# Altium PCB UCL-CPUM-H7-1.PcbDoc (part 3 of 3)
Units mm, origin at the board's own origin, x right, y up, seen from the top; angles counter-clockwise.
Board outline 42 x 53 mm, 6 copper layers (Top Layer, L2_GND, L3_VCC, L4_Sig, L5_GND, Bottom Layer), stack 1.657 mm thick; 102 components, 182 nets, 509 pads, 278 vias.
Unrouted connection lines stored in the file: 34.
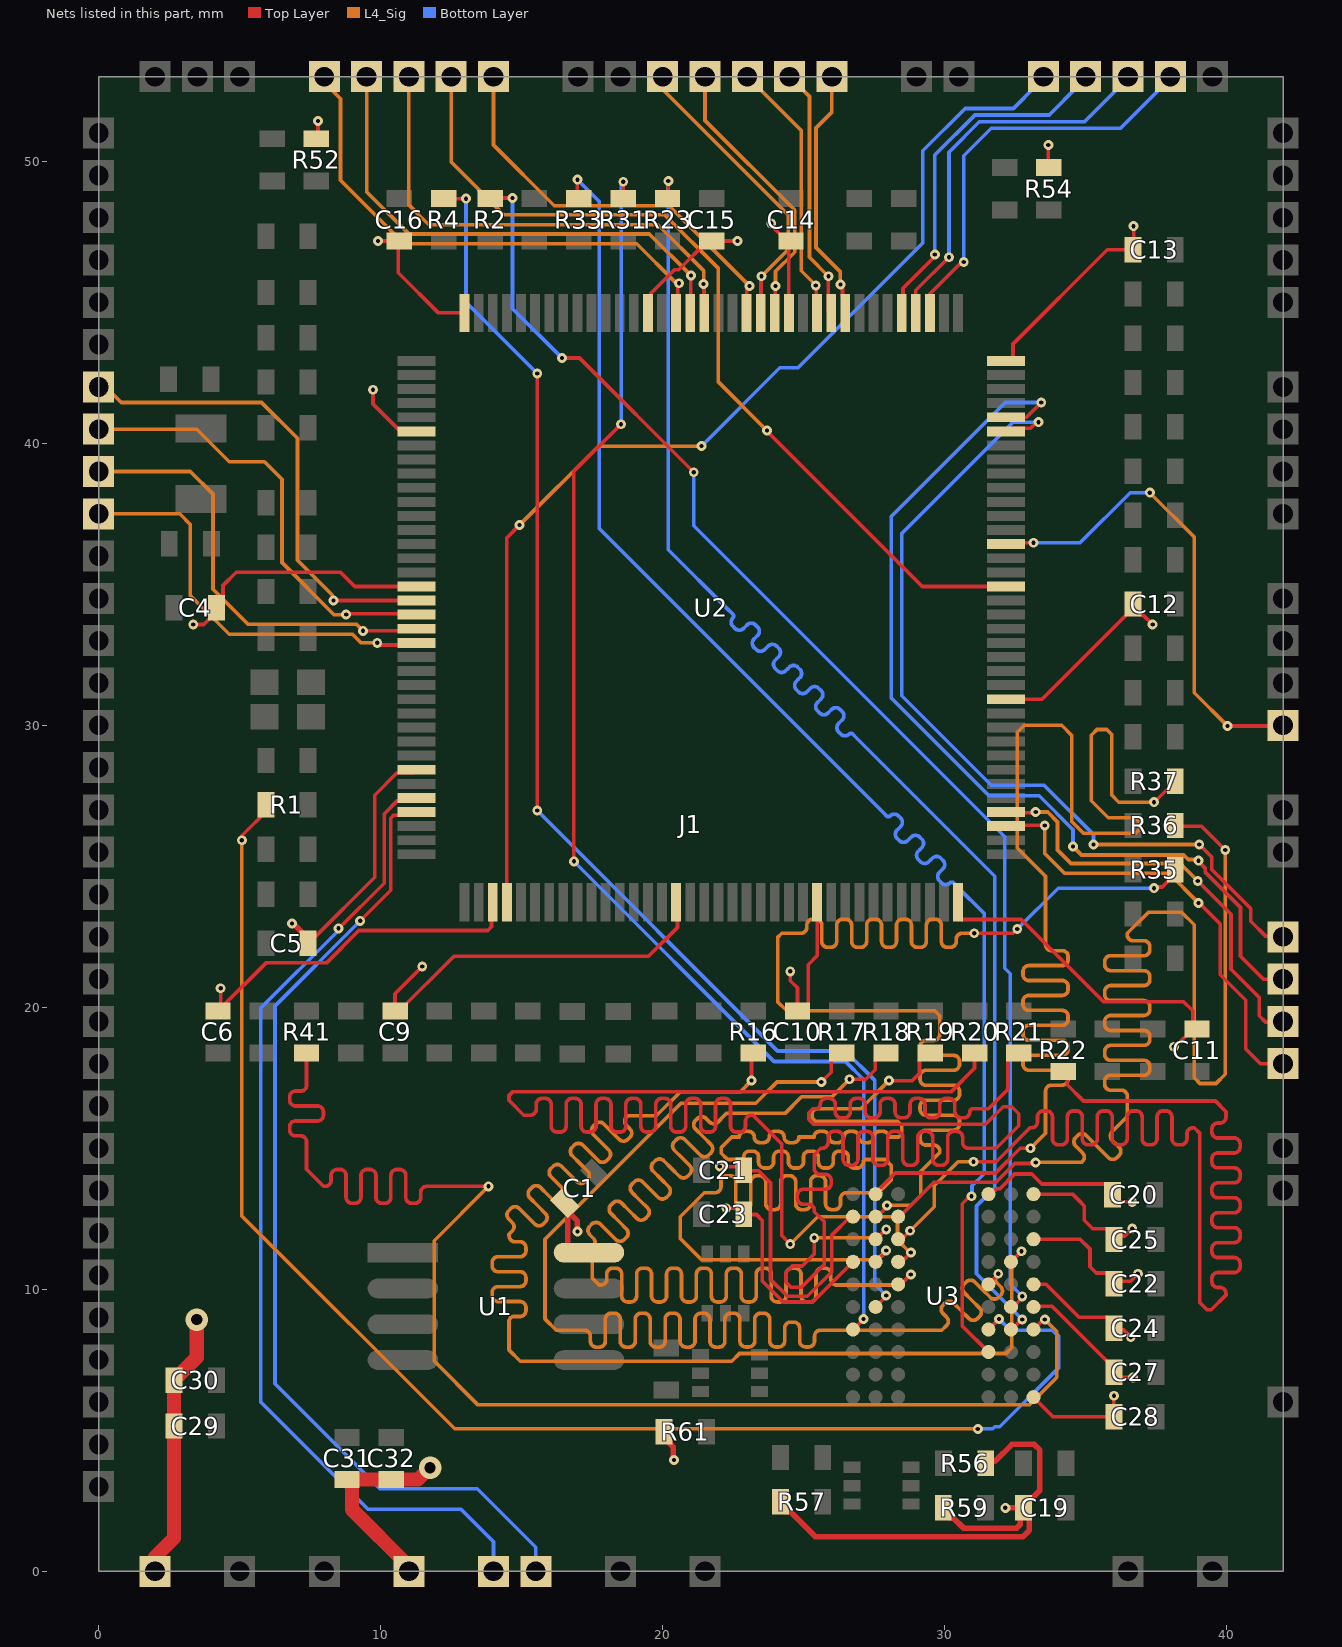
[diagram p7: the nets of this part, all layers, seen from the top]

## Via types
v1: diameter 0.35, hole 0.15, Top Layer to Bottom Layer, 276 vias
v2: diameter 0.8, hole 0.4, Top Layer to Bottom Layer, 2 vias

## Nets (pads, with @x,y where several pads share a name; then routed paths per layer and width w, separated by ;. In a path a pad name is that pad's centre, name@x,y a point inside that pad or via, vN(x,y) a via of type N, cw(c..) or ccw(c..) an arc to the next point about the centre after c; other vN are vias at no path point) (continued)
SDRAM_D6: R16.1 U3.D8 | length 53.2
  Top Layer w0.13: v1(23.15,17.4) 23.15,18.317 R16.1@23.208,18.375 ; U3.D8@32.35,10.975 v1(32.725,11.35)
  L4_Sig w0.13: v1(23.15,17.4) 22.75,17 20.625,17 19.775,16.15 18.75,16.15 18.713,16.113 ccw(c18.862,15.963) 18.713,15.813 18.837,15.688 cw(c18.687,15.538) 18.837,15.388 18.762,15.313 cw(c18.612,15.463) 18.462,15.313 18.188,15.588 17.913,15.862 ccw(c17.764,15.712) 17.614,15.862 17.539,15.787 ccw(c17.689,15.637) 17.539,15.487 17.813,15.213 18.087,14.939 cw(c17.938,14.789) 18.087,14.639 18.012,14.564 cw(c17.863,14.714) 17.713,14.564 17.438,14.838 17.164,15.113 ccw(c17.014,14.963) 16.864,15.113 16.789,15.038 ccw(c16.939,14.888) 16.789,14.738 17.064,14.464 17.338,14.189 cw(c17.188,14.039) 17.338,13.889 17.263,13.814 cw(c17.113,13.964) 16.963,13.814 16.689,14.089 16.414,14.363 ccw(c16.265,14.213) 16.115,14.363 16.04,14.288 ccw(c16.19,14.138) 16.04,13.988 16.314,13.714 16.588,13.44 cw(c16.438,13.29) 16.588,13.14 16.513,13.065 cw(c16.364,13.215) 16.214,13.065 15.939,13.339 15.665,13.614 ccw(c15.515,13.464) 15.365,13.614 15.29,13.539 ccw(c15.44,13.389) 15.29,13.239 15.564,12.964 15.839,12.69 cw(c15.689,12.54) 15.839,12.39 15.764,12.315 cw(c15.614,12.465) 15.464,12.315 15.19,12.59 14.915,12.864 ccw(c14.765,12.714) 14.616,12.864 14.541,12.789 ccw(c14.691,12.639) 14.541,12.489 14.665,12.365 cw(c14.515,12.215) 14.665,12.065 14.55,11.95 14.55,11.897 ccw(c14.762,11.897) 14.762,11.685 14.938,11.685 cw(c14.938,11.473) 15.15,11.473 15.15,11.367 cw(c14.938,11.367) 14.938,11.155 14.55,11.155 14.162,11.155 ccw(c14.162,10.943) 13.95,10.943 13.95,10.837 ccw(c14.162,10.837) 14.162,10.625 14.55,10.625 14.938,10.625 cw(c14.938,10.413) 15.15,10.413 15.15,10.307 cw(c14.938,10.307) 14.938,10.095 14.55,10.095 14.162,10.095 ccw(c14.162,9.883) 13.95,9.883 13.95,9.777 ccw(c14.162,9.777) 14.162,9.565 14.55,9.565 14.938,9.565 cw(c14.938,9.353) 15.15,9.353 15.15,9.247 cw(c14.938,9.247) 14.938,9.035 14.735,9.035 ccw(c14.735,8.85) 14.55,8.85 14.55,7.85 14.95,7.45 22.45,7.45 22.725,7.725 32.175,7.725 32.375,7.925 32.375,11 v1(32.725,11.35)
SDRAM_D7: R17.1 U3.E7 | length 52.3
  Top Layer w0.13: v1(25.625,17.35) 25.975,17.7 25.975,18.14 26.21,18.375 R17.1@26.349,18.375 R17.1@26.345,18.372 ; U3.E7@31.55,10.175 31.55,10.188 31.9,10.538 v1(31.9,10.55)
  L4_Sig w0.13: 24.537,8.837 24.643,8.837 ; 24.537,8.837 ccw(c24.537,8.625) 24.325,8.625 24.325,8.55 24.325,8.167 cw(c24.113,8.167) 24.113,7.955 24.007,7.955 cw(c24.007,8.167) 23.795,8.167 23.795,8.55 23.795,8.938 ccw(c23.583,8.938) 23.583,9.15 23.477,9.15 ccw(c23.477,8.938) 23.265,8.938 23.265,8.55 23.265,8.167 cw(c23.053,8.167) 23.053,7.955 22.947,7.955 cw(c22.947,8.167) 22.735,8.167 22.735,8.55 22.735,8.938 ccw(c22.523,8.938) 22.523,9.15 22.417,9.15 ccw(c22.417,8.938) 22.205,8.938 22.205,8.55 22.205,8.162 cw(c21.993,8.162) 21.993,7.95 21.887,7.95 cw(c21.887,8.162) 21.675,8.162 21.675,8.55 21.675,8.938 ccw(c21.463,8.938) 21.463,9.15 21.357,9.15 ccw(c21.357,8.938) 21.145,8.938 21.145,8.55 21.145,8.162 cw(c20.933,8.162) 20.933,7.95 20.827,7.95 cw(c20.827,8.162) 20.615,8.162 20.615,8.55 20.615,8.938 ccw(c20.403,8.938) 20.403,9.15 20.297,9.15 ccw(c20.297,8.938) 20.085,8.938 20.085,8.55 20.085,8.162 cw(c19.873,8.162) 19.873,7.95 19.767,7.95 cw(c19.767,8.162) 19.555,8.162 19.555,8.55 19.555,8.938 ccw(c19.343,8.938) 19.343,9.15 19.237,9.15 ccw(c19.237,8.938) 19.025,8.938 19.025,8.55 19.025,8.162 cw(c18.813,8.162) 18.813,7.95 18.707,7.95 cw(c18.707,8.162) 18.495,8.162 18.495,8.55 18.495,8.938 ccw(c18.283,8.938) 18.283,9.15 18.177,9.15 ccw(c18.177,8.938) 17.965,8.938 17.965,8.55 17.965,8.162 cw(c17.753,8.162) 17.753,7.95 17.647,7.95 cw(c17.647,8.162) 17.435,8.162 17.435,8.338 ccw(c17.223,8.338) 17.223,8.55 17.1,8.55 16.225,8.55 15.825,8.95 15.825,11.775 20.65,16.6 23.3,16.6 24.05,17.35 v1(25.625,17.35) ; 24.643,8.837 cw(c24.643,8.625) 24.855,8.625 24.855,8.55 24.855,8.167 ccw(c25.067,8.167) 25.067,7.955 25.173,7.955 ccw(c25.173,8.167) 25.385,8.167 25.385,8.338 cw(c25.597,8.338) 25.597,8.55 25.65,8.55 25.9,8.55 29.55,8.55 29.9,8.55 30.064,8.714 ccw(c29.914,8.864) 30.064,9.013 29.939,9.138 cw(c30.089,9.288) 29.939,9.438 30.014,9.513 cw(c30.164,9.363) 30.314,9.513 30.588,9.238 30.863,8.964 ccw(c31.013,9.114) 31.162,8.964 31.237,9.039 ccw(c31.088,9.189) 31.237,9.339 30.963,9.613 30.689,9.887 cw(c30.839,10.037) 30.689,10.187 30.764,10.262 cw(c30.914,10.112) 31.063,10.262 31.338,9.988 31.612,9.713 ccw(c31.762,9.863) 31.912,9.713 31.987,9.788 ccw(c31.837,9.938) 31.987,10.088 31.863,10.213 cw(c32.012,10.363) 31.863,10.513 v1(31.9,10.55) v1@31.9,10.575
SDRAM_D8: R18.1 U3.E3 | length 52.8
  Top Layer w0.13: v1(26.625,17.45) 27.2,17.45 27.534,17.784 27.534,18.14 27.769,18.375 R18.1@27.919,18.375 ; U3.E3@28.35,10.175 28.45,10.175 v1(28.8,10.525)
  L4_Sig w0.13: 19.605,10.538 19.605,10.15 19.605,9.762 ccw(c19.817,9.762) 19.817,9.55 19.923,9.55 ccw(c19.923,9.762) 20.135,9.762 20.135,10.15 20.135,10.538 cw(c20.347,10.538) 20.347,10.75 20.453,10.75 cw(c20.453,10.538) 20.665,10.538 20.665,10.15 20.665,9.762 ccw(c20.877,9.762) 20.877,9.55 20.983,9.55 ccw(c20.983,9.762) 21.195,9.762 21.195,10.15 21.195,10.538 cw(c21.407,10.538) 21.407,10.75 21.513,10.75 cw(c21.513,10.538) 21.725,10.538 21.725,10.15 21.725,9.762 ccw(c21.937,9.762) 21.937,9.55 22.043,9.55 ccw(c22.043,9.762) 22.255,9.762 22.255,10.15 22.255,10.538 cw(c22.467,10.538) 22.467,10.75 22.573,10.75 cw(c22.573,10.538) 22.785,10.538 22.785,10.15 22.785,9.762 ccw(c22.997,9.762) 22.997,9.55 23.103,9.55 ccw(c23.103,9.762) 23.315,9.762 23.315,10.15 23.315,10.538 cw(c23.527,10.538) 23.527,10.75 23.633,10.75 cw(c23.633,10.538) 23.845,10.538 23.845,10.15 23.845,9.762 ccw(c24.057,9.762) 24.057,9.55 24.163,9.55 ccw(c24.163,9.762) 24.375,9.762 24.375,10.15 24.375,10.538 cw(c24.587,10.538) 24.587,10.75 24.693,10.75 cw(c24.693,10.538) 24.905,10.538 24.905,10.15 24.905,9.762 ccw(c25.117,9.762) 25.117,9.55 25.223,9.55 ccw(c25.223,9.762) 25.435,9.762 25.435,10.15 25.435,10.538 cw(c25.647,10.538) 25.647,10.75 25.753,10.75 cw(c25.753,10.538) 25.965,10.538 25.965,10.36 ccw(c26.175,10.36) 26.175,10.15 28.425,10.15 v1(28.8,10.525) ; 19.605,10.538 ccw(c19.393,10.538) 19.393,10.75 19.287,10.75 ccw(c19.287,10.538) 19.075,10.538 19.075,10.15 19.075,9.762 cw(c18.863,9.762) 18.863,9.55 18.757,9.55 cw(c18.757,9.762) 18.545,9.762 18.545,10.15 18.545,10.538 ccw(c18.333,10.538) 18.333,10.75 18.227,10.75 ccw(c18.227,10.538) 18.015,10.538 18.015,10.362 cw(c17.803,10.362) 17.803,10.15 17.75,10.15 17.5,10.4 17.5,11.475 17.537,11.512 ccw(c17.388,11.662) 17.537,11.812 17.413,11.937 cw(c17.563,12.087) 17.413,12.237 17.488,12.312 cw(c17.638,12.162) 17.788,12.312 18.062,12.037 18.337,11.763 ccw(c18.486,11.913) 18.636,11.763 18.711,11.838 ccw(c18.561,11.988) 18.711,12.138 18.437,12.412 18.163,12.686 cw(c18.312,12.836) 18.163,12.986 18.238,13.061 cw(c18.387,12.911) 18.537,13.061 18.812,12.787 19.086,12.512 ccw(c19.236,12.662) 19.386,12.512 19.461,12.587 ccw(c19.311,12.737) 19.461,12.887 19.186,13.161 18.912,13.436 cw(c19.062,13.586) 18.912,13.736 18.987,13.811 cw(c19.137,13.661) 19.287,13.811 19.561,13.536 19.836,13.262 ccw(c19.985,13.412) 20.135,13.262 20.21,13.337 ccw(c20.06,13.487) 20.21,13.637 19.936,13.911 19.662,14.185 cw(c19.812,14.335) 19.662,14.485 19.737,14.56 cw(c19.886,14.41) 20.036,14.56 20.311,14.286 20.585,14.011 ccw(c20.735,14.161) 20.885,14.011 20.96,14.086 ccw(c20.81,14.236) 20.96,14.386 20.686,14.661 20.411,14.935 cw(c20.561,15.085) 20.411,15.235 20.486,15.31 cw(c20.636,15.16) 20.786,15.31 21.06,15.035 21.335,14.761 ccw(c21.485,14.911) 21.634,14.761 21.709,14.836 ccw(c21.559,14.986) 21.709,15.136 21.435,15.41 21.161,15.684 cw(c21.311,15.834) 21.161,15.984 21.236,16.059 cw(c21.386,15.909) 21.535,16.059 21.66,15.935 ccw(c21.81,16.085) 21.96,15.935 22.185,16.16 22.262,16.238 23.787,16.238 24.338,16.238 24.925,16.825 26,16.825 v1(26.625,17.45)
SDRAM_D9: R19.1 U3.D2 | length 53
  Top Layer w0.13: U3.D2@27.55,10.975 27.575,10.975 27.925,11.325 v1(27.925,11.375) ; v1(28.025,17.4) 28.85,17.4 29.104,17.654 29.104,18.14 29.339,18.375 R19.1@29.489,18.375
  L4_Sig w0.13: v1(27.925,11.375) 27.6,11.05 21.375,11.05 20.625,11.8 20.625,12.575 21.475,13.425 21.8,13.425 21.853,13.425 ccw(c21.853,13.637) 22.065,13.637 22.065,13.813 cw(c22.277,13.813) 22.277,14.025 22.383,14.025 cw(c22.383,13.813) 22.595,13.813 22.595,13.425 22.595,13.037 ccw(c22.807,13.037) 22.807,12.825 22.913,12.825 ccw(c22.913,13.037) 23.125,13.037 23.125,13.425 23.125,13.813 cw(c23.337,13.813) 23.337,14.025 23.443,14.025 cw(c23.443,13.813) 23.655,13.813 23.655,13.425 23.655,13.037 ccw(c23.867,13.037) 23.867,12.825 23.973,12.825 ccw(c23.973,13.037) 24.185,13.037 24.185,13.425 24.185,13.813 cw(c24.397,13.813) 24.397,14.025 24.503,14.025 cw(c24.503,13.813) 24.715,13.813 24.715,13.425 24.715,13.037 ccw(c24.927,13.037) 24.927,12.825 25.033,12.825 ccw(c25.033,13.037) 25.245,13.037 25.245,13.425 25.245,13.813 cw(c25.457,13.813) 25.457,14.025 25.563,14.025 cw(c25.563,13.813) 25.775,13.813 25.775,13.425 25.775,13.037 ccw(c25.987,13.037) 25.987,12.825 26.093,12.825 ccw(c26.093,13.037) 26.305,13.037 26.305,13.213 cw(c26.517,13.213) 26.517,13.425 26.835,13.425 27.025,13.425 27.65,13.425 28.1,13.875 28.1,14.4 27.9,14.6 27.375,14.6 27.198,14.6 ccw(c27.198,14.512) 27.11,14.512 cw(c26.898,14.512) 26.898,14.3 26.792,14.3 cw(c26.792,14.512) 26.58,14.512 26.58,14.6 26.58,14.688 ccw(c26.368,14.688) 26.368,14.9 26.262,14.9 ccw(c26.262,14.688) 26.05,14.688 26.05,14.6 26.05,14.512 cw(c25.838,14.512) 25.838,14.3 25.732,14.3 cw(c25.732,14.512) 25.52,14.512 25.52,14.6 25.52,14.688 ccw(c25.308,14.688) 25.308,14.9 25.202,14.9 ccw(c25.202,14.688) 24.99,14.688 24.99,14.6 24.99,14.512 cw(c24.778,14.512) 24.778,14.3 24.672,14.3 cw(c24.672,14.512) 24.46,14.512 24.46,14.6 24.46,14.688 ccw(c24.248,14.688) 24.248,14.9 24.142,14.9 ccw(c24.142,14.688) 23.93,14.688 23.93,14.6 23.93,14.512 cw(c23.718,14.512) 23.718,14.3 23.612,14.3 cw(c23.612,14.512) 23.4,14.512 23.4,14.6 23.4,14.688 ccw(c23.188,14.688) 23.188,14.9 23.082,14.9 ccw(c23.082,14.688) 22.87,14.688 cw(c22.782,14.688) 22.782,14.6 22.34,14.6 22.3,14.6 22.075,14.825 22.075,15.025 22.45,15.4 22.715,15.4 cw(c22.915,15.4) 22.915,15.6 23.045,15.6 cw(c23.045,15.4) 23.245,15.4 ccw(c23.445,15.4) 23.445,15.2 23.575,15.2 ccw(c23.575,15.4) 23.775,15.4 cw(c23.975,15.4) 23.975,15.6 24.105,15.6 cw(c24.105,15.4) 24.305,15.4 ccw(c24.505,15.4) 24.505,15.2 24.635,15.2 ccw(c24.635,15.4) 24.835,15.4 25.1,15.4 25.365,15.4 cw(c25.565,15.4) 25.565,15.6 25.695,15.6 cw(c25.695,15.4) 25.895,15.4 ccw(c26.095,15.4) 26.095,15.2 26.225,15.2 ccw(c26.225,15.4) 26.425,15.4 cw(c26.625,15.4) 26.625,15.6 26.755,15.6 cw(c26.755,15.4) 26.955,15.4 ccw(c27.155,15.4) 27.155,15.2 27.285,15.2 ccw(c27.285,15.4) 27.485,15.4 cw(c27.685,15.4) 27.685,15.6 27.815,15.6 cw(c27.815,15.4) 28.015,15.4 28.375,15.4 28.475,15.5 28.475,15.8 28.325,15.95 25.425,15.95 25.3,16.075 25.3,16.275 25.425,16.4 27.025,16.4 v1(28.025,17.4)
SDRAM_D10: R20.1 U3.D3 | length 51.8
  Top Layer w0.13: v1(24.525,11.6) 24.22,11.905 24.22,15.155 23.2,16.175 23.147,16.175 ccw(c23.147,15.963) 22.935,15.963 22.935,15.787 cw(c22.723,15.787) 22.723,15.575 22.617,15.575 cw(c22.617,15.787) 22.405,15.787 22.405,16.175 22.405,16.558 ccw(c22.193,16.558) 22.193,16.77 22.087,16.77 ccw(c22.087,16.558) 21.875,16.558 21.875,16.175 21.875,15.787 cw(c21.663,15.787) 21.663,15.575 21.557,15.575 cw(c21.557,15.787) 21.345,15.787 21.345,16.175 21.345,16.558 ccw(c21.133,16.558) 21.133,16.77 21.027,16.77 ccw(c21.027,16.558) 20.815,16.558 20.815,16.175 20.815,15.787 cw(c20.603,15.787) 20.603,15.575 20.497,15.575 cw(c20.497,15.787) 20.285,15.787 20.285,16.175 20.285,16.558 ccw(c20.073,16.558) 20.073,16.77 19.967,16.77 ccw(c19.967,16.558) 19.755,16.558 19.755,16.175 19.755,15.787 cw(c19.543,15.787) 19.543,15.575 19.437,15.575 cw(c19.437,15.787) 19.225,15.787 19.225,16.175 19.225,16.558 ccw(c19.013,16.558) 19.013,16.77 18.907,16.77 ccw(c18.907,16.558) 18.695,16.558 18.695,16.175 18.695,15.787 cw(c18.483,15.787) 18.483,15.575 18.377,15.575 cw(c18.377,15.787) 18.165,15.787 18.165,16.175 18.165,16.558 ccw(c17.953,16.558) 17.953,16.77 17.847,16.77 ccw(c17.847,16.558) 17.635,16.558 17.635,16.175 17.635,15.787 cw(c17.423,15.787) 17.423,15.575 17.317,15.575 cw(c17.317,15.787) 17.105,15.787 17.105,16.175 17.105,16.558 ccw(c16.893,16.558) 16.893,16.77 16.787,16.77 ccw(c16.787,16.558) 16.575,16.558 16.575,16.175 16.575,15.787 cw(c16.363,15.787) 16.363,15.575 16.257,15.575 cw(c16.257,15.787) 16.045,15.787 16.045,16.175 16.045,16.558 ccw(c15.833,16.558) 15.833,16.77 15.727,16.77 ccw(c15.727,16.558) 15.515,16.558 15.515,16.387 cw(c15.303,16.387) 15.303,16.175 15.075,16.175 14.55,16.7 14.55,16.875 14.675,17 30.225,17 31.059,17.834 R20.1@31.059,18.375 ; U3.D3@28.35,10.975 28.413,11.038 28.538,11.038 v1(28.8,11.3)
  L4_Sig w0.13: v1(24.525,11.6) 25.5,12.575 28.125,12.575 28.325,12.375 28.325,11.75 28.775,11.3 v1(28.8,11.3)
SDRAM_D11: R21.1 U3.C2 | length 52.2
  Top Layer w0.13: v1(25.375,11.825) 25.375,11.25 24.95,10.825 24.6,10.825 24.375,10.6 24.375,10.25 24.55,10.075 24.925,10.075 25.725,10.875 25.725,12.4 25.375,12.75 25.375,12.803 ccw(c25.163,12.803) 25.163,13.015 24.987,13.015 cw(c24.987,13.227) 24.775,13.227 24.775,13.333 cw(c24.987,13.333) 24.987,13.545 25.375,13.545 25.763,13.545 ccw(c25.763,13.757) 25.975,13.757 25.975,13.863 ccw(c25.763,13.863) 25.763,14.075 25.587,14.075 cw(c25.587,14.287) 25.375,14.287 25.375,14.605 25.375,14.775 25.6,15 25.653,15 ccw(c25.653,15.212) 25.865,15.212 25.865,15.388 cw(c26.077,15.388) 26.077,15.6 26.183,15.6 cw(c26.183,15.388) 26.395,15.388 26.395,15 26.395,14.612 ccw(c26.607,14.612) 26.607,14.4 26.713,14.4 ccw(c26.713,14.612) 26.925,14.612 26.925,15 26.925,15.388 cw(c27.137,15.388) 27.137,15.6 27.243,15.6 cw(c27.243,15.388) 27.455,15.388 27.455,15 27.455,14.612 ccw(c27.667,14.612) 27.667,14.4 27.773,14.4 ccw(c27.773,14.612) 27.985,14.612 27.985,15 27.985,15.388 cw(c28.197,15.388) 28.197,15.6 28.303,15.6 cw(c28.303,15.388) 28.515,15.388 28.515,15 28.515,14.612 ccw(c28.727,14.612) 28.727,14.4 28.833,14.4 ccw(c28.833,14.612) 29.045,14.612 29.045,15 29.045,15.388 cw(c29.257,15.388) 29.257,15.6 29.363,15.6 cw(c29.363,15.388) 29.575,15.388 29.575,15 29.575,14.612 ccw(c29.787,14.612) 29.787,14.4 29.893,14.4 ccw(c29.893,14.612) 30.105,14.612 30.105,15 30.105,15.388 cw(c30.317,15.388) 30.317,15.6 30.423,15.6 cw(c30.423,15.388) 30.635,15.388 30.635,15.212 ccw(c30.847,15.212) 30.847,15 31.075,15 31.825,15 32.625,15.8 32.625,16.225 32.375,16.475 32.075,16.475 31.45,15.85 25.35,15.85 25.175,16.025 25.175,16.25 25.325,16.4 25.432,16.4 ccw(c25.432,16.558) 25.59,16.558 cw(c25.802,16.558) 25.802,16.77 25.908,16.77 cw(c25.908,16.558) 26.12,16.558 26.12,16.4 26.12,16.292 ccw(c26.332,16.292) 26.332,16.08 26.438,16.08 ccw(c26.438,16.292) 26.65,16.292 26.65,16.4 26.65,16.558 cw(c26.862,16.558) 26.862,16.77 26.968,16.77 cw(c26.968,16.558) 27.18,16.558 27.18,16.4 27.18,16.292 ccw(c27.392,16.292) 27.392,16.08 27.498,16.08 ccw(c27.498,16.292) 27.71,16.292 27.71,16.4 27.71,16.558 cw(c27.922,16.558) 27.922,16.77 28.028,16.77 cw(c28.028,16.558) 28.24,16.558 28.24,16.4 28.24,16.292 ccw(c28.452,16.292) 28.452,16.08 28.558,16.08 ccw(c28.558,16.292) 28.77,16.292 28.77,16.4 28.77,16.558 cw(c28.982,16.558) 28.982,16.77 29.088,16.77 cw(c29.088,16.558) 29.3,16.558 29.3,16.4 29.3,16.292 ccw(c29.512,16.292) 29.512,16.08 29.618,16.08 ccw(c29.618,16.292) 29.83,16.292 29.83,16.4 29.83,16.558 cw(c30.042,16.558) 30.042,16.77 30.148,16.77 cw(c30.148,16.558) 30.36,16.558 30.36,16.4 30.36,16.292 ccw(c30.572,16.292) 30.572,16.08 30.678,16.08 ccw(c30.678,16.292) 30.89,16.292 cw(c30.998,16.292) 30.998,16.4 31.05,16.4 31.55,16.4 32.245,17.095 32.245,18.14 32.48,18.375 R21.1@32.63,18.375 ; U3.C2@27.55,11.775 27.625,11.775 27.625,11.837 27.914,12.126 v1(27.926,12.126)
  L4_Sig w0.13: v1(25.375,11.825) 27.626,11.825 v1(27.926,12.126)
SDRAM_D12: R22.1 U3.C3 | length 52.1
  Top Layer w0.13: U3.C3@28.35,11.775 28.475,11.775 v1(28.775,12.075) ; v1(31.025,14.525) 31.825,14.525 33.025,15.725 33.078,15.725 ccw(c33.078,15.937) 33.29,15.937 33.29,16.113 cw(c33.502,16.113) 33.502,16.325 33.608,16.325 cw(c33.608,16.113) 33.82,16.113 33.82,15.725 33.82,15.337 ccw(c34.032,15.337) 34.032,15.125 34.138,15.125 ccw(c34.138,15.337) 34.35,15.337 34.35,15.725 34.35,16.113 cw(c34.562,16.113) 34.562,16.325 34.668,16.325 cw(c34.668,16.113) 34.88,16.113 34.88,15.725 34.88,15.337 ccw(c35.092,15.337) 35.092,15.125 35.198,15.125 ccw(c35.198,15.337) 35.41,15.337 35.41,15.725 35.41,16.113 cw(c35.622,16.113) 35.622,16.325 35.728,16.325 cw(c35.728,16.113) 35.94,16.113 35.94,15.725 35.94,15.337 ccw(c36.152,15.337) 36.152,15.125 36.258,15.125 ccw(c36.258,15.337) 36.47,15.337 36.47,15.725 36.47,16.113 cw(c36.682,16.113) 36.682,16.325 36.788,16.325 cw(c36.788,16.113) 37,16.113 37,15.725 37,15.337 ccw(c37.212,15.337) 37.212,15.125 37.318,15.125 ccw(c37.318,15.337) 37.53,15.337 37.53,15.725 37.53,16.113 cw(c37.742,16.113) 37.742,16.325 37.848,16.325 cw(c37.848,16.113) 38.06,16.113 38.06,15.725 38.06,15.337 ccw(c38.272,15.337) 38.272,15.125 38.378,15.125 ccw(c38.378,15.337) 38.59,15.337 38.59,15.513 cw(c38.802,15.513) 38.802,15.725 38.85,15.725 39.05,15.525 39.05,9.525 39.3,9.275 39.45,9.275 39.975,9.8 39.975,9.853 ccw(c39.763,9.853) 39.763,10.065 39.687,10.065 cw(c39.687,10.277) 39.475,10.277 39.475,10.383 cw(c39.687,10.383) 39.687,10.595 39.975,10.595 40.263,10.595 ccw(c40.263,10.807) 40.475,10.807 40.475,10.913 ccw(c40.263,10.913) 40.263,11.125 39.975,11.125 39.687,11.125 cw(c39.687,11.337) 39.475,11.337 39.475,11.443 cw(c39.687,11.443) 39.687,11.655 39.975,11.655 40.263,11.655 ccw(c40.263,11.867) 40.475,11.867 40.475,11.973 ccw(c40.263,11.973) 40.263,12.185 39.975,12.185 39.687,12.185 cw(c39.687,12.397) 39.475,12.397 39.475,12.503 cw(c39.687,12.503) 39.687,12.715 39.975,12.715 40.263,12.715 ccw(c40.263,12.927) 40.475,12.927 40.475,13.033 ccw(c40.263,13.033) 40.263,13.245 39.975,13.245 39.687,13.245 cw(c39.687,13.457) 39.475,13.457 39.475,13.563 cw(c39.687,13.563) 39.687,13.775 39.975,13.775 40.263,13.775 ccw(c40.263,13.987) 40.475,13.987 40.475,14.093 ccw(c40.263,14.093) 40.263,14.305 39.975,14.305 39.687,14.305 cw(c39.687,14.517) 39.475,14.517 39.475,14.623 cw(c39.687,14.623) 39.687,14.835 39.975,14.835 40.263,14.835 ccw(c40.263,15.047) 40.475,15.047 40.475,15.153 ccw(c40.263,15.153) 40.263,15.365 39.975,15.365 39.687,15.365 cw(c39.687,15.577) 39.475,15.577 39.475,15.683 cw(c39.687,15.683) 39.687,15.895 39.763,15.895 ccw(c39.763,16.107) 39.975,16.107 39.975,16.3 39.6,16.675 34.925,16.675 34.35,17.25 34.35,17.725 R22.1@34.2,17.725
  L4_Sig w0.13: v1(28.775,12.075) 29.625,12.925 29.625,13.675 30.475,14.525 v1(31.025,14.525)
SDRAM_D13: R35.2 U3.B2 | length 48.5
  Top Layer w0.13: U3.B2@27.55,12.575 27.6,12.575 27.95,12.925 v1(27.95,12.975) ; v1@31.025,22.625 v1(31.05,22.625) 32.425,22.625 v1(32.575,22.775) ; v1(37.425,24.225) 37.467,24.267 37.714,24.267 38.175,24.728 R35.2@38.175,24.878
  L4_Sig w0.13: v1(27.95,12.975) 28.8,12.975 29.15,13.325 29.15,14.175 29.675,14.7 29.825,14.85 29.825,14.903 ccw(c29.613,14.903) 29.613,15.115 29.337,15.115 cw(c29.337,15.327) 29.125,15.327 29.125,15.433 cw(c29.337,15.433) 29.337,15.645 29.825,15.645 30.313,15.645 ccw(c30.313,15.857) 30.525,15.857 30.525,15.963 ccw(c30.313,15.963) 30.313,16.175 29.825,16.175 29.337,16.175 cw(c29.337,16.387) 29.125,16.387 29.125,16.493 cw(c29.337,16.493) 29.337,16.705 29.825,16.705 30.313,16.705 ccw(c30.313,16.917) 30.525,16.917 30.525,17.023 ccw(c30.313,17.023) 30.313,17.235 29.825,17.235 29.337,17.235 cw(c29.337,17.447) 29.125,17.447 29.125,17.553 cw(c29.337,17.553) 29.337,17.765 29.825,17.765 30.313,17.765 ccw(c30.313,17.977) 30.525,17.977 30.525,18.083 ccw(c30.313,18.083) 30.313,18.295 29.825,18.295 29.337,18.295 cw(c29.337,18.507) 29.125,18.507 29.125,18.613 cw(c29.337,18.613) 29.337,18.825 29.613,18.825 ccw(c29.613,19.037) 29.825,19.037 29.825,19.355 29.825,19.4 29.825,19.7 29.65,19.875 24.4,19.875 24.075,20.2 24.075,22.475 24.225,22.625 24.775,22.625 24.898,22.625 ccw(c24.898,22.837) 25.11,22.837 25.11,22.913 cw(c25.322,22.913) 25.322,23.125 25.428,23.125 cw(c25.428,22.913) 25.64,22.913 25.64,22.625 25.64,22.337 ccw(c25.852,22.337) 25.852,22.125 25.958,22.125 ccw(c25.958,22.337) 26.17,22.337 26.17,22.625 26.17,22.913 cw(c26.382,22.913) 26.382,23.125 26.488,23.125 cw(c26.488,22.913) 26.7,22.913 26.7,22.625 26.7,22.337 ccw(c26.912,22.337) 26.912,22.125 27.018,22.125 ccw(c27.018,22.337) 27.23,22.337 27.23,22.625 27.23,22.913 cw(c27.442,22.913) 27.442,23.125 27.548,23.125 cw(c27.548,22.913) 27.76,22.913 27.76,22.625 27.76,22.337 ccw(c27.972,22.337) 27.972,22.125 28.078,22.125 ccw(c28.078,22.337) 28.29,22.337 28.29,22.625 28.29,22.913 cw(c28.502,22.913) 28.502,23.125 28.608,23.125 cw(c28.608,22.913) 28.82,22.913 28.82,22.625 28.82,22.337 ccw(c29.032,22.337) 29.032,22.125 29.138,22.125 ccw(c29.138,22.337) 29.35,22.337 29.35,22.625 29.35,22.913 cw(c29.562,22.913) 29.562,23.125 29.668,23.125 cw(c29.668,22.913) 29.88,22.913 29.88,22.625 29.88,22.337 ccw(c30.092,22.337) 30.092,22.125 30.198,22.125 ccw(c30.198,22.337) 30.41,22.337 30.41,22.413 cw(c30.622,22.413) 30.622,22.625 30.675,22.625 v1(31.05,22.625)
  Bottom Layer w0.13: v1(31.05,22.625) v1@31.17,22.625 ; v1(32.575,22.775) 34.025,24.225 v1(37.425,24.225)
SDRAM_D14: R36.2 U3.B3 | length 52.3
  Top Layer w0.13: U3.B3@28.35,12.575 28.4,12.575 29.615,13.79 31.815,13.79 32.483,14.458 33.183,14.458 v1(33.225,14.5) ; R36.2@38.175,26.449 38.199,26.425 39.1,26.425 v1(39.95,25.575)
  L4_Sig w0.13: v1(33.225,14.5) 34.85,14.5 34.887,14.537 ccw(c34.738,14.687) 34.887,14.837 34.643,15.082 cw(c34.793,15.232) 34.643,15.381 34.718,15.456 cw(c34.868,15.306) 35.018,15.456 35.412,15.062 35.806,14.668 ccw(c35.956,14.818) 36.106,14.668 36.181,14.743 ccw(c36.031,14.893) 36.181,15.043 35.937,15.287 cw(c36.087,15.437) 35.937,15.587 36.05,15.7 36.475,16.125 36.475,16.775 36.475,16.848 ccw(c36.263,16.848) 36.263,17.06 35.887,17.06 cw(c35.887,17.272) 35.675,17.272 35.675,17.378 cw(c35.887,17.378) 35.887,17.59 36.475,17.59 37.063,17.59 ccw(c37.063,17.802) 37.275,17.802 37.275,17.908 ccw(c37.063,17.908) 37.063,18.12 36.475,18.12 35.887,18.12 cw(c35.887,18.332) 35.675,18.332 35.675,18.438 cw(c35.887,18.438) 35.887,18.65 36.475,18.65 37.063,18.65 ccw(c37.063,18.862) 37.275,18.862 37.275,18.968 ccw(c37.063,18.968) 37.063,19.18 36.475,19.18 35.887,19.18 cw(c35.887,19.392) 35.675,19.392 35.675,19.498 cw(c35.887,19.498) 35.887,19.71 36.475,19.71 37.063,19.71 ccw(c37.063,19.922) 37.275,19.922 37.275,20.028 ccw(c37.063,20.028) 37.063,20.24 36.475,20.24 35.887,20.24 cw(c35.887,20.452) 35.675,20.452 35.675,20.558 cw(c35.887,20.558) 35.887,20.77 36.475,20.77 37.063,20.77 ccw(c37.063,20.982) 37.275,20.982 37.275,21.088 ccw(c37.063,21.088) 37.063,21.3 36.475,21.3 35.887,21.3 cw(c35.887,21.512) 35.675,21.512 35.675,21.618 cw(c35.887,21.618) 35.887,21.83 36.475,21.83 37.063,21.83 ccw(c37.063,22.042) 37.275,22.042 37.275,22.148 ccw(c37.063,22.148) 37.063,22.36 36.687,22.36 cw(c36.687,22.572) 36.475,22.572 36.475,22.625 37.225,23.375 38.4,23.375 38.85,22.925 38.85,17.5 39.05,17.3 39.625,17.3 39.95,17.625 v1(39.95,25.575)
SDRAM_D15: R37.2 U3.A2 | length 52.3
  Top Layer w0.13: U3.A2@27.55,13.375 27.55,13.425 28.25,14.125 31.8,14.125 32.675,15 v1(33.044,15) ; v1(37.425,27.275) 37.431,27.275 R37.2@38.175,28.019
  L4_Sig w0.13: v1(33.044,15) 33.575,15.531 33.575,16.95 33.575,17.028 cw(c33.787,17.028) 33.787,17.24 34.163,17.24 ccw(c34.163,17.452) 34.375,17.452 34.375,17.558 ccw(c34.163,17.558) 34.163,17.77 33.575,17.77 32.987,17.77 cw(c32.987,17.982) 32.775,17.982 32.775,18.088 cw(c32.987,18.088) 32.987,18.3 33.575,18.3 34.163,18.3 ccw(c34.163,18.512) 34.375,18.512 34.375,18.618 ccw(c34.163,18.618) 34.163,18.83 33.575,18.83 32.987,18.83 cw(c32.987,19.042) 32.775,19.042 32.775,19.148 cw(c32.987,19.148) 32.987,19.36 33.575,19.36 34.163,19.36 ccw(c34.163,19.572) 34.375,19.572 34.375,19.678 ccw(c34.163,19.678) 34.163,19.89 33.575,19.89 32.987,19.89 cw(c32.987,20.102) 32.775,20.102 32.775,20.208 cw(c32.987,20.208) 32.987,20.42 33.575,20.42 34.163,20.42 ccw(c34.163,20.632) 34.375,20.632 34.375,20.738 ccw(c34.163,20.738) 34.163,20.95 33.575,20.95 32.987,20.95 cw(c32.987,21.162) 32.775,21.162 32.775,21.268 cw(c32.987,21.268) 32.987,21.48 33.575,21.48 34.163,21.48 ccw(c34.163,21.692) 34.375,21.692 34.375,21.798 ccw(c34.163,21.798) 34.163,22.01 33.787,22.01 cw(c33.787,22.222) 33.575,22.222 33.575,22.275 33.575,24.65 32.575,25.65 32.575,29.75 32.825,30 34.15,30 34.5,29.65 34.5,26.6 34.925,26.175 36.775,26.175 36.925,26.325 36.925,26.55 36.75,26.725 35.8,26.725 35.2,27.325 35.2,29.65 35.4,29.85 35.75,29.85 35.925,29.675 35.925,27.525 36.175,27.275 v1(37.425,27.275)
SDRAM_NBL0: R2.1 U3.F8 | length 48.2
  Top Layer w0.13: R2.1@13.88,48.675 13.905,48.7 v1(14.675,48.7) ; v1(16.425,43.025) 17.05,43.025 v1(21.1,38.975) ; U3.F8@32.35,9.375 32.425,9.375 32.752,9.702 v1(32.752,9.751)
  Bottom Layer w0.13: v1(14.675,48.7) 14.675,44.775 v1(16.425,43.025) ; v1(21.1,38.975) 21.1,37.075 32.125,26.05 32.125,21.388 32.325,21.188 32.325,10.177 v1(32.752,9.751)
SDRAM_NBL1: R4.1 U3.F2 | length 47.8
  Top Layer w0.13: R4.1@12.23,48.675 v1(13.025,48.675) ; v1(15.55,26.975) v1(15.55,42.475) ; U3.F2@27.55,9.375 27.925,9.75 v1(27.925,9.775)
  Bottom Layer w0.13: v1(13.025,48.675) 13.025,45 v1(15.55,42.475) ; v1(15.55,26.975) 24.075,18.45 26.475,18.45 27.525,17.4 27.525,10.175 v1(27.925,9.775)
SDRAM_SDCKE1: R31.1 U3.G1 | length 47.9
  Top Layer w0.13: v1(16.85,25.175) 16.85,39 v1(18.525,40.675) ; R31.1@18.6,48.675 v1(18.6,49.275) ; U3.G1@26.75,8.575 v1(27.125,8.95)
  Bottom Layer w0.13: v1(16.85,25.175) 23.95,18.075 26.481,18.075 27.125,17.431 v1(27.125,8.95) ; v1(18.525,40.675) 18.525,49.2 v1(18.6,49.275)
SDRAM_SDNCAS: R23.2 U3.G8 | length 51.8
  Top Layer w0.13: R23.2@20.17,48.675 20.2,48.705 v1(20.2,49.3) ; U3.G8@32.35,8.575 32.375,8.575 32.725,8.925 v1(32.75,8.925)
  Bottom Layer w0.13: v1(20.2,49.3) 20.2,36.225 22.3,34.125 22.49,33.935 cw(c22.428,33.872) 22.49,33.81 ccw(c22.64,33.66) 22.49,33.51 22.565,33.435 ccw(c22.715,33.585) 22.865,33.435 22.927,33.498 22.99,33.56 cw(c23.14,33.41) 23.289,33.56 23.364,33.485 cw(c23.215,33.335) 23.364,33.185 23.302,33.123 23.24,33.061 ccw(c23.39,32.911) 23.24,32.761 23.315,32.686 ccw(c23.465,32.836) 23.615,32.686 23.677,32.748 23.739,32.81 cw(c23.889,32.66) 24.039,32.81 24.114,32.735 cw(c23.964,32.585) 24.114,32.435 24.052,32.373 23.99,32.311 ccw(c24.139,32.161) 23.99,32.011 24.064,31.936 ccw(c24.214,32.086) 24.364,31.936 24.427,31.998 24.489,32.061 cw(c24.639,31.911) 24.789,32.061 24.864,31.986 cw(c24.714,31.836) 24.864,31.686 24.801,31.624 24.739,31.561 ccw(c24.889,31.412) 24.739,31.262 24.814,31.187 ccw(c24.964,31.337) 25.114,31.187 25.176,31.249 25.238,31.311 cw(c25.388,31.161) 25.538,31.311 25.613,31.236 cw(c25.463,31.086) 25.613,30.936 25.551,30.874 25.489,30.812 ccw(c25.638,30.662) 25.489,30.512 25.564,30.437 ccw(c25.713,30.587) 25.863,30.437 25.926,30.499 25.988,30.562 cw(c26.138,30.412) 26.288,30.562 26.363,30.487 cw(c26.213,30.337) 26.363,30.187 26.3,30.125 26.238,30.062 ccw(c26.388,29.913) 26.238,29.763 26.313,29.688 ccw(c26.463,29.838) 26.613,29.688 cw(c26.675,29.625) 26.737,29.688 ; 26.737,29.688 26.862,29.563 31.775,24.65 31.775,13.6 31.125,12.95 31.125,10.55 v1(32.75,8.925)
SDRAM_SDNE1: R33.1 U3.H7 | length 51.4
  Top Layer w0.13: v1(16.975,49.35) 16.975,48.72 R33.1@17.02,48.675 ; v1(30.952,13.301) 30.892,13.301 30.625,13.034 30.625,8.7 U3.H7@31.55,7.775
  Bottom Layer w0.13: v1(16.975,49.35) 17.75,48.575 17.75,36.975 27.862,26.863 27.939,26.786 ccw(c28.002,26.848) 28.064,26.786 cw(c28.214,26.636) 28.364,26.786 28.439,26.711 cw(c28.289,26.561) 28.439,26.411 28.376,26.349 28.314,26.286 ccw(c28.464,26.137) 28.314,25.987 28.389,25.912 ccw(c28.539,26.062) 28.689,25.912 28.751,25.974 28.813,26.036 cw(c28.963,25.886) 29.113,26.036 29.188,25.961 cw(c29.038,25.811) 29.188,25.661 29.126,25.599 29.064,25.537 ccw(c29.213,25.387) 29.064,25.237 29.139,25.162 ccw(c29.288,25.312) 29.438,25.162 29.501,25.224 29.563,25.287 cw(c29.713,25.137) 29.863,25.287 29.938,25.212 cw(c29.788,25.062) 29.938,24.912 29.875,24.85 29.813,24.787 ccw(c29.963,24.638) 29.813,24.488 29.888,24.413 ccw(c30.038,24.563) 30.188,24.413 cw(c30.25,24.35) 30.312,24.413 30.437,24.288 31.4,23.325 31.4,14.1 30.971,13.671 30.971,13.32 v1(30.952,13.301)
SDRAM_SDNRAS: R41.1 U3.G9 | length 52.5
  Top Layer w0.13: R41.1@7.369,18.375 7.369,17.225 cw(c7.174,17.225) 7.174,17.03 6.981,17.03 ccw(c6.981,16.818) 6.769,16.818 6.769,16.712 ccw(c6.981,16.712) 6.981,16.5 7.369,16.5 7.757,16.5 cw(c7.757,16.288) 7.969,16.288 7.969,16.182 cw(c7.757,16.182) 7.757,15.97 7.369,15.97 6.981,15.97 ccw(c6.981,15.758) 6.769,15.758 6.769,15.652 ccw(c6.981,15.652) 6.981,15.44 7.157,15.44 cw(c7.157,15.228) 7.369,15.228 7.369,15.175 7.369,14.256 7.975,13.65 8.028,13.65 ccw(c8.028,13.862) 8.24,13.862 8.24,14.038 cw(c8.452,14.038) 8.452,14.25 8.558,14.25 cw(c8.558,14.038) 8.77,14.038 8.77,13.65 8.77,13.262 ccw(c8.982,13.262) 8.982,13.05 9.088,13.05 ccw(c9.088,13.262) 9.3,13.262 9.3,13.65 9.3,14.038 cw(c9.512,14.038) 9.512,14.25 9.618,14.25 cw(c9.618,14.038) 9.83,14.038 9.83,13.65 9.83,13.262 ccw(c10.042,13.262) 10.042,13.05 10.148,13.05 ccw(c10.148,13.262) 10.36,13.262 10.36,13.65 10.36,14.038 cw(c10.572,14.038) 10.572,14.25 10.678,14.25 cw(c10.678,14.038) 10.89,14.038 10.89,13.65 10.89,13.262 ccw(c11.102,13.262) 11.102,13.05 11.208,13.05 ccw(c11.208,13.262) 11.42,13.262 11.42,13.438 cw(c11.632,13.438) 11.632,13.65 11.7,13.65 v1(13.825,13.65) ; U3.G9@33.15,8.575 33.501,8.926 v1(33.552,8.926)
  L4_Sig w0.13: v1(13.825,13.65) 11.895,11.72 11.895,7.455 13.45,5.9 33,5.9 33.975,6.875 33.975,8.502 v1(33.552,8.926)
SDRAM_SDNWE: R1.2 U3.G7 | length 52
  Top Layer w0.13: v1(5.075,25.925) 5.075,26.08 6.025,27.03 6.025,27.18 R1.2@6.005,27.2 ; U3.G7@31.55,8.575 v1(31.925,8.95)
  L4_Sig w0.13: v1(5.075,25.925) 5.075,12.6 5.225,12.45 12.625,5.05 v1(31.175,5.05)
  Bottom Layer w0.13: v1(31.175,5.05) 31.7,5.05 31.775,5.125 31.95,5.125 34.05,7.225 34.05,8.325 33.825,8.55 32.325,8.55 v1(31.925,8.95)
SPI2_MISO: J1.41 U2.75 | length 15.7
  Top Layer w0.13: U2.75@32.175,26.425 32.325,26.425 32.35,26.45 v1(33.55,26.45) ; v1@38.95,23.7 v1(39,23.7) 39.025,23.7 39.775,22.95 39.775,21.15 40.675,20.25 40.675,18.525 41.2,18 J1.41@41.685,18
  L4_Sig w0.13: v1(33.55,26.45) 33.55,25.45 34.25,24.75 37.95,24.75 v1(39,23.7)
SPI2_MOSI: J1.40 U2.76 | length 14.7
  Top Layer w0.13: U2.76@32.175,26.925 32.375,26.925 32.4,26.9 33.2,26.9 v1(33.225,26.925) ; v1(38.975,24.475) 40.15,23.3 40.15,21.35 41.15,20.35 41.15,19.7 41.375,19.475 41.66,19.475 J1.40@41.685,19.5
  L4_Sig w0.13: v1(33.225,26.925) 33.65,26.925 34,26.575 34,25.575 34.475,25.1 38.35,25.1 v1(38.975,24.475)
SPI2_NSS: J1.38 U2.103 | length 31
  Top Layer w0.13: U2.103@32.175,40.425 32.325,40.425 32.43,40.53 33.045,40.53 33.265,40.75 v1(33.325,40.75) ; v1(39.025,25.775) 39.475,25.325 39.475,24.875 40.85,23.5 40.85,23.05 41.375,22.525 41.66,22.525 J1.38@41.685,22.5
  L4_Sig w0.13: v1(35.275,25.775) v1(39.025,25.775)
  Bottom Layer w0.13: v1(33.325,40.75) 32.425,40.75 28.475,36.8 28.475,31.05 31.65,27.875 33.525,27.875 35.275,26.125 v1(35.275,25.775)
SPI2_SCK: J1.39 U2.104 | length 34.1
  Top Layer w0.13: U2.104@32.175,40.925 32.9,40.925 v1(33.425,41.45) ; v1(39,25.2) 39.05,25.15 39.05,25.117 39.245,24.922 39.245,24.78 40.487,23.537 40.487,21.813 41.275,21.025 41.28,21.025 41.305,21 J1.39@41.685,21
  L4_Sig w0.13: v1(34.55,25.7) 34.85,25.4 38.48,25.4 38.638,25.242 38.958,25.242 v1(39,25.2)
  Bottom Layer w0.13: v1(33.425,41.45) 32.15,41.45 28.1,37.4 28.1,30.975 31.575,27.5 33.35,27.5 34.55,26.3 v1(34.55,25.7)
SPI3_MISO: J1.20 U2.112 | length 13.8
  Top Layer w0.13: U2.112@28.975,44.625 28.975,45.425 v1(30.15,46.6)
  Bottom Layer w0.13: v1(30.15,46.6) 30.15,50.325 31.225,51.4 34.962,51.4 36.247,52.685 36.5,52.685 J1.20@36.5,53
SPI3_MOSI: J1.19 U2.113 | length 12.8
  Top Layer w0.13: U2.113@28.475,44.625 28.52,44.67 28.52,45.495 29.65,46.625 v1(29.65,46.7)
  Bottom Layer w0.13: v1(29.65,46.7) 29.65,50.22 31.075,51.645 33.707,51.645 34.747,52.685 35,52.685 J1.19@35,53
SPI3_NSS: J1.18 U2.40 | length 40.8
  Top Layer w0.13: U2.40@14.475,23.725 14.475,36.65 v1(14.925,37.1)
  L4_Sig w0.13: v1(14.925,37.1) 17.725,39.9 v1(21.375,39.9)
  Bottom Layer w0.13: v1(21.375,39.9) 24.15,42.675 24.8,42.675 29.225,47.1 29.225,50.375 30.725,51.875 32.437,51.875 33.247,52.685 33.5,52.685 J1.18@33.5,53
SPI3_SCK: J1.21 U2.111 | length 14.5
  Top Layer w0.13: U2.111@29.475,44.625 29.475,45.3 30.6,46.425 v1(30.675,46.425)
  Bottom Layer w0.13: v1(30.675,46.425) 30.675,50.195 31.65,51.17 36.232,51.17 37.747,52.685 J1.21@38,52.685
SPI5_MISO: J1.79 U2.20 | length 15.3
  Top Layer w0.13: v1(9.375,33.35) 11.2,33.35 U2.20@11.275,33.425
  L4_Sig w0.13: J1.79@0.315,39 3.25,39 4.05,38.2 4.05,34.825 5.29,33.585 9.14,33.585 v1(9.375,33.35)
SPI5_MOSI: J1.78 U2.21 | length 14.5
  Top Layer w0.13: v1(9.875,32.925) 9.95,32.85 11.35,32.85 U2.21@11.275,32.925
  L4_Sig w0.13: J1.78@0.315,37.5 2.875,37.5 3.25,37.125 3.25,34.6 4.625,33.225 9,33.225 9.3,32.925 v1(9.875,32.925)
SPI5_NSS: J1.81 U2.18 | length 16.8
  Top Layer w0.13: v1(8.325,34.425) U2.18@11.275,34.425
  L4_Sig w0.13: J1.81@0.315,42 0.315,41.938 0.803,41.45 5.775,41.45 7.05,40.175 7.05,35.85 8.283,34.617 8.283,34.467 v1(8.325,34.425)
SPI5_SCK: J1.80 U2.19 | length 15.5
  Top Layer w0.13: v1(8.775,33.925) 8.8,33.95 11.225,33.95 11.275,33.9 U2.19@11.275,33.925
  L4_Sig w0.13: J1.80@0.315,40.5 3.475,40.5 4.625,39.35 5.875,39.35 6.5,38.725 6.5,35.769 8.344,33.925 v1(8.775,33.925)
"USART2_ CK": J1.11 U2.123 | length 10.4
  Top Layer w0.13: U2.123@23.475,44.625 23.4,44.7 23.488,44.788 23.488,45.913 v1(23.5,45.925)
  L4_Sig w0.13: J1.11@20,52.685 20,52.55 24.45,48.1 24.45,46.875 v1(23.5,45.925)
"USART2_ CTS": J1.15 U2.117 | length 8.9
  Top Layer w0.13: v1@26.374,45.495 26.374,45.209 26.365,45.2 26.475,45.09 U2.117@26.475,44.625
  L4_Sig w0.13: J1.15@26,53 26,51.75 25.434,51.184 25.434,46.941 26.301,46.074 26.301,45.729 26.33,45.7 26.35,45.7 26.301,45.651 v1(26.301,45.627)
"USART2_ RTS": J1.14 U2.118 | length 9
  Top Layer w0.13: U2.118@25.875,44.725 v1(25.875,45.925)
  L4_Sig w0.13: J1.14@24.5,53 24.5,52.685 24.815,52.685 25.204,52.296 25.204,46.596 v1(25.875,45.925)
"USART2_ RX": J1.12 U2.122 | length 9.7
  Top Layer w0.13: U2.122@23.975,44.625 23.975,44.7 24.025,44.75 23.988,44.787 23.988,45.563 v1(24,45.575)
  L4_Sig w0.13: J1.12@21.5,52.685 21.5,51.45 24.68,48.27 24.68,46.78 24,46.1 v1(24,45.575)
"USART2_ TX": J1.13 U2.119 | length 9.6
  Top Layer w0.13: v1(25.425,45.6) 25.45,45.575 25.45,44.637 U2.119@25.463,44.625
  L4_Sig w0.13: J1.13@23,53 23,52.685 23.315,52.685 24.91,51.09 24.91,46.115 25.353,45.672 25.353,45.603 25.35,45.6 v1(25.425,45.6)
USART6_CK: J1.7 U2.92 | length 31
  Top Layer w0.13: v1(23.7,40.45) 23.7,40.425 24.875,39.25 29.2,34.925 U2.92@32.175,34.925
  L4_Sig w0.13: J1.7@12.5,52.685 12.5,49.975 14.375,48.1 20.075,48.1 21.975,46.2 21.975,42.175 v1(23.7,40.45)
USART6_CTS: J1.5 U2.128 | length 18.2
  Top Layer w0.13: U2.128@20.975,44.625 21,44.625 v1(21,45.95)
  L4_Sig w0.13: J1.5@9.5,53 9.5,48.925 11,47.425 19.525,47.425 v1(21,45.95)
USART6_RTS: J1.6 U2.127 | length 17.2
  Top Layer w0.13: v1(21.45,45.65) 21.463,45.637 21.463,44.787 21.5,44.75 21.475,44.725 U2.127@21.475,44.625
  L4_Sig w0.13: J1.6@11,52.685 11,48.45 11.7,47.75 19.825,47.75 21.45,46.125 v1(21.45,45.65)
USART6_RX: J1.8 U2.124 | length 14.3
  Top Layer w0.13: U2.124@23.025,44.625 U2.124@22.975,44.625 22.975,45.475 v1(23.075,45.575)
  L4_Sig w0.13: J1.8@14,52.685 14,50.575 16.15,48.425 20.225,48.425 v1(23.075,45.575)
USART6_TX: J1.4 U2.129 | length 18.3
  Top Layer w0.13: U2.129@20.475,44.625 20.475,44.65 20.45,44.675 20.533,44.758 20.533,45.633 v1(20.575,45.675)
  L4_Sig w0.13: J1.4@8,52.685 8.112,52.685 8.575,52.222 8.575,49.325 10.825,47.075 19.075,47.075 20.433,45.717 20.473,45.717 20.5,45.69 20.5,45.65 20.525,45.675 v1(20.575,45.675)
VCC: C1.1 C4.2 C5.2 C6.2 C9.2 C10.2 C11.2 C12.2 C13.2 C14.2 C15.2 C16.2 C19.2 C20.2 C21.2 C22.2 C23.2 C24.2 C25.2 C27.2 C28.2 C29.2 C30.2 C31.2 C32.2 J1.51 J1.54 R52.2 R54.2 R56.2 R57.2 R59.1 R61.2 U1.8 U2.6 U2.17 U2.30 U2.39 U2.52 U2.62 U2.72 U2.84 U2.108 U2.121 U2.131 U2.144 U3.A7 U3.A9 U3.B1 U3.C9 U3.D1 U3.E9 U3.F9 U3.K9 | length 181
  Top Layer w0.13: v1(3.35,33.575) 3.725,33.575 3.975,33.825 4.125,33.825 4.175,33.875 C4.2@4.175,34.175 4.175,34.375 4.225,34.375 4.41,34.56 4.41,34.96 4.875,35.425 8.575,35.425 9.075,34.925 U2.17@11.275,34.925 ; C6.2@4.3,19.925 4.25,19.875 C6.2@4.228,19.875 C6.2@4.325,19.972 ; v1(4.325,20.675) C6.2@4.325,19.972 ; C5.2@7.6,22.275 7.6,22.425 9.785,24.61 9.785,27.518 10.582,28.315 11.165,28.315 U2.30@11.275,28.425 ; R52.2@7.72,50.8 7.775,50.855 v1(7.775,51.425) ; v1(9.725,41.9) 9.725,41.392 10.717,40.4 11.025,40.4 11.05,40.425 U2.6@11.275,40.425 ; v1(9.9,47.175) 10.625,47.175 C16.2@10.642,47.158 ; C16.2@10.659,47.175 C16.2@10.642,47.158 ; v1(11.475,21.45) 10.509,20.484 C9.2@10.509,19.875 10.659,19.875 12.589,21.805 15.079,21.805 15.084,21.81 16.329,21.81 16.334,21.815 19.507,21.815 20.525,22.833 20.525,23.675 U2.52@20.475,23.725 ; U2.144@12.975,44.625 12.05,44.625 10.625,46.05 10.625,47.141 C16.2@10.642,47.158 ; U2.39@13.975,23.725 13.93,23.68 13.93,22.855 13.8,22.725 9.225,22.725 8.075,21.575 5.928,21.575 C6.2@4.325,19.972 ; U2.131@19.475,44.625 19.585,44.735 19.585,45.318 20.421,46.154 20.57,46.154 21.591,47.175 C15.2@21.741,47.175 v1(22.65,47.175) ; v1(22.026,14.351) 22.749,14.351 C21.2@22.875,14.225 22.9,14.2 23.4,14.2 23.825,13.775 23.825,10.35 24.425,9.75 25.125,9.75 26,10.625 26,11.925 26.65,12.575 U3.B1@26.75,12.575 U3.B1@26.8,12.575 ; v1(22.251,12.876) 22.654,12.876 C23.2@22.875,12.655 22.88,12.65 23.325,12.65 23.525,12.45 23.525,10.3 24.275,9.55 25.325,9.55 U3.D1@26.75,10.975 ; v1(23.85,47.8) 23.85,47.725 C14.2@24.475,47.1 ; U2.121@24.475,44.625 C14.2@24.475,47.1 ; v1(24.525,21.275) 24.525,20.943 24.778,20.69 C10.2@24.778,19.875 24.928,19.875 25.163,20.11 25.163,21.512 25.475,21.823 U2.62@25.475,23.725 ; C14.2@24.55,47.175 C14.2@24.475,47.1 ; U2.72@30.475,23.725 30.475,23.225 30.585,23.115 32.716,23.115 35.631,20.2 38.47,20.2 38.795,19.875 38.795,19.225 38.17,18.6 v1(38.125,18.6) ; U3.A7@31.55,13.375 31.65,13.375 31.835,13.56 31.948,13.56 32.478,14.09 33.085,14.09 33.44,13.735 35.715,13.735 35.95,13.5 C20.2@35.95,13.35 35.95,13.335 36.185,13.1 v1(36.65,13.1) ; U2.84@32.175,30.925 33.45,30.925 C12.2@36.675,34.15 ; U2.108@32.175,42.925 32.315,42.925 32.425,43.035 32.425,43.525 35.767,46.867 C13.2@36.675,46.867 36.7,46.892 v1(36.7,47.7) ; U3.K9@33.15,6.175 33.841,5.484 C28.2@36,5.484 v1(36,6.225) ; U3.F9@33.15,9.375 33.175,9.4 33.804,9.4 36,7.204 C27.2@36,7.054 36.179,6.875 v1(36.675,6.875) ; U3.E9@33.15,10.175 33.595,10.175 34.761,9.009 35.765,9.009 36,8.774 C24.2@36,8.624 36.063,8.562 36.338,8.562 v1(36.6,8.3) ; U3.C9@33.15,11.775 34.8,11.775 35.15,11.425 35.15,10.8 35.37,10.58 35.765,10.58 36,10.345 C22.2@36,10.195 36.094,10.288 36.588,10.288 v1(36.85,10.55) ; U3.A9@33.15,13.375 34.531,13.375 34.85,13.056 34.85,13.05 34.95,12.95 34.95,12.45 35.25,12.15 35.765,12.15 36,11.915 C25.2@36,11.765 36.123,11.888 36.388,11.888 v1(36.65,12.15) ; v1(33.675,50.575) 33.675,49.85 R54.2@33.75,49.775 ; R54.2@33.695,49.775 R54.2@33.75,49.775 ; R54.2@33.775,49.75 R54.2@33.75,49.775 ; C12.2@36.675,34.3 C12.2@36.675,34.15 ; v1(37.375,33.575) 37.035,33.915 36.91,33.915 C12.2@36.675,34.15
  Top Layer w0.2: v1(6.85,22.975) 6.9,22.975 C5.2@7.6,22.275 ; C1.1@16.525,13.052 16.525,12.87 C1.1@16.631,12.764 ; v1(16.975,12.05) 16.975,12.42 C1.1@16.631,12.764 ; U1.8@17.385,11.3 16.894,11.3 16.631,11.563 C1.1@16.631,12.764 ; R61.2@20.05,4.95 20.05,4.725 20.175,4.6 20.25,4.6 20.25,4.525 20.372,4.403 20.372,3.979 v1(20.401,3.95) ; R57.2@24.175,2.465 24.175,2.315 24.375,2.115 24.525,2.115 25.415,1.225 32.775,1.225 33,1.45 33,2.055 C19.2@32.8,2.255 C19.2@32.745,2.2 ; R59.1@29.95,2.25 29.95,2.1 30.15,1.9 30.3,1.9 30.675,1.525 32.55,1.525 32.675,1.65 32.675,2.13 C19.2@32.745,2.2 ; R56.2@31.456,3.825 31.531,3.9 31.78,3.9 32.38,4.5 33.175,4.5 33.375,4.3 33.375,2.875 32.745,2.245 C19.2@32.745,2.2 ; v1(32.15,2.25) C19.2@32.75,2.25
  Top Layer w0.5: J1.54@2,0.5 2.675,1.175 C29.2@2.675,5.15 C30.2@2.675,6.775 3.475,7.575 v2(3.475,8.925) ; C31.2@8.805,3.25 C31.2@8.925,3.25 ; J1.51@11,0 11,0.175 8.975,2.2 8.975,3.2 C31.2@8.925,3.25 ; v2(11.75,3.675) 11.325,3.25 C32.2@10.375,3.25 C31.2@8.925,3.25
  Bottom Layer w0.13: v1@22.025,14.4 22.025,14.352 v1(22.026,14.351) ; v1(22.251,12.876) v1(22.251,12.876) v1@22.275,12.875
  Bottom Layer w0.2: v1@20.4,3.925 20.4,3.949 v1(20.401,3.95)
VDD33USB: J1.35 U2.95 | length 17.1
  Top Layer w0.13: U2.95@32.175,36.425 32.175,36.375 32.225,36.325 32.375,36.475 v1(33.15,36.475) ; v1(40.025,29.975) 41.66,29.975 J1.35@41.685,30
  L4_Sig w0.13: v1(37.275,38.25) 38.85,36.675 38.85,31.15 v1(40.025,29.975)
  Bottom Layer w0.13: v1(33.15,36.475) 34.802,36.475 36.576,38.249 v1(37.275,38.25)
VDDA: J1.49 U2.33 | length 35
  Top Layer w0.13: v1(9.271,23.065) 10.355,24.149 10.355,26.7 10.47,26.815 10.85,26.815 10.96,26.925 U2.33@11.275,26.925
  Bottom Layer w0.13: v1(9.271,23.065) 9.271,23.021 9.25,23 9.206,23 6.25,20.044 6.25,6.65 9.975,2.925 13.425,2.925 15.5,0.85 J1.49@15.5,0.315
VREF+: J1.50 U2.32 | length 35.1
  Top Layer w0.13: v1(8.5,22.8) 8.525,22.8 10.125,24.4 10.125,26.858 10.582,27.315 10.69,27.315 10.8,27.425 U2.32@11.275,27.425
  Bottom Layer w0.13: v1(8.5,22.8) 8.5,22.725 8.485,22.725 8.458,22.698 8.458,22.683 5.75,19.975 5.75,6 9.55,2.2 12.85,2.2 14,1.05 J1.50@14,0.315
pads on no net: U3.E2 U3.E8 U3.F3 U3.F7 U3.H3

## Polygon pours and split planes (outlines as drawn)
GND on L2_GND (split plane): 41.999,0.001 0.001,0.001 0.001,52.999 41.999,52.999
VCC on L3_VCC (split plane): 41.49,0.51 0.51,0.51 0.51,52.49 41.49,52.49
GND on L5_GND (split plane): 41.999,0.001 0.001,0.001 0.001,52.999 41.999,52.999

## Silkscreen, mask and mechanical layers (free items; w line width, h text height)
Top Overlay:
  lines w0.2: 3.65,47.525 5.15,46.025 ; 4.45,32.725 4.625,32.725 5.025,33.125 5.025,33.73 5.12,33.825 5.405,34.11 ; 4.6,32.075 4.976,32.451 5.405,32.451 ; 5.15,35.6 5.15,46.025 ; 5.15,46 5.15,46.025 ; 34.82,3.825 35.25,3.825 35.4,3.675 ; 0.925,44.175 0.925,44.25 0.925,51.6 3.575,51.6 3.575,44.175 0.925,44.175 ; 35.475,1.7 35.475,4.225 41.1,4.225 41.1,1.7 35.475,1.7
  text "UCL-CPUM-H7-1" at 4.6,1.375 h0.8
Mechanical 1:
  the board outline again, w0.2
  text ".Pcb_File_Name_No_Path" at -1.5,-2.5 h1.52